# Altium PCB Copy of master.PcbDoc (part 6 of 7) (continued)
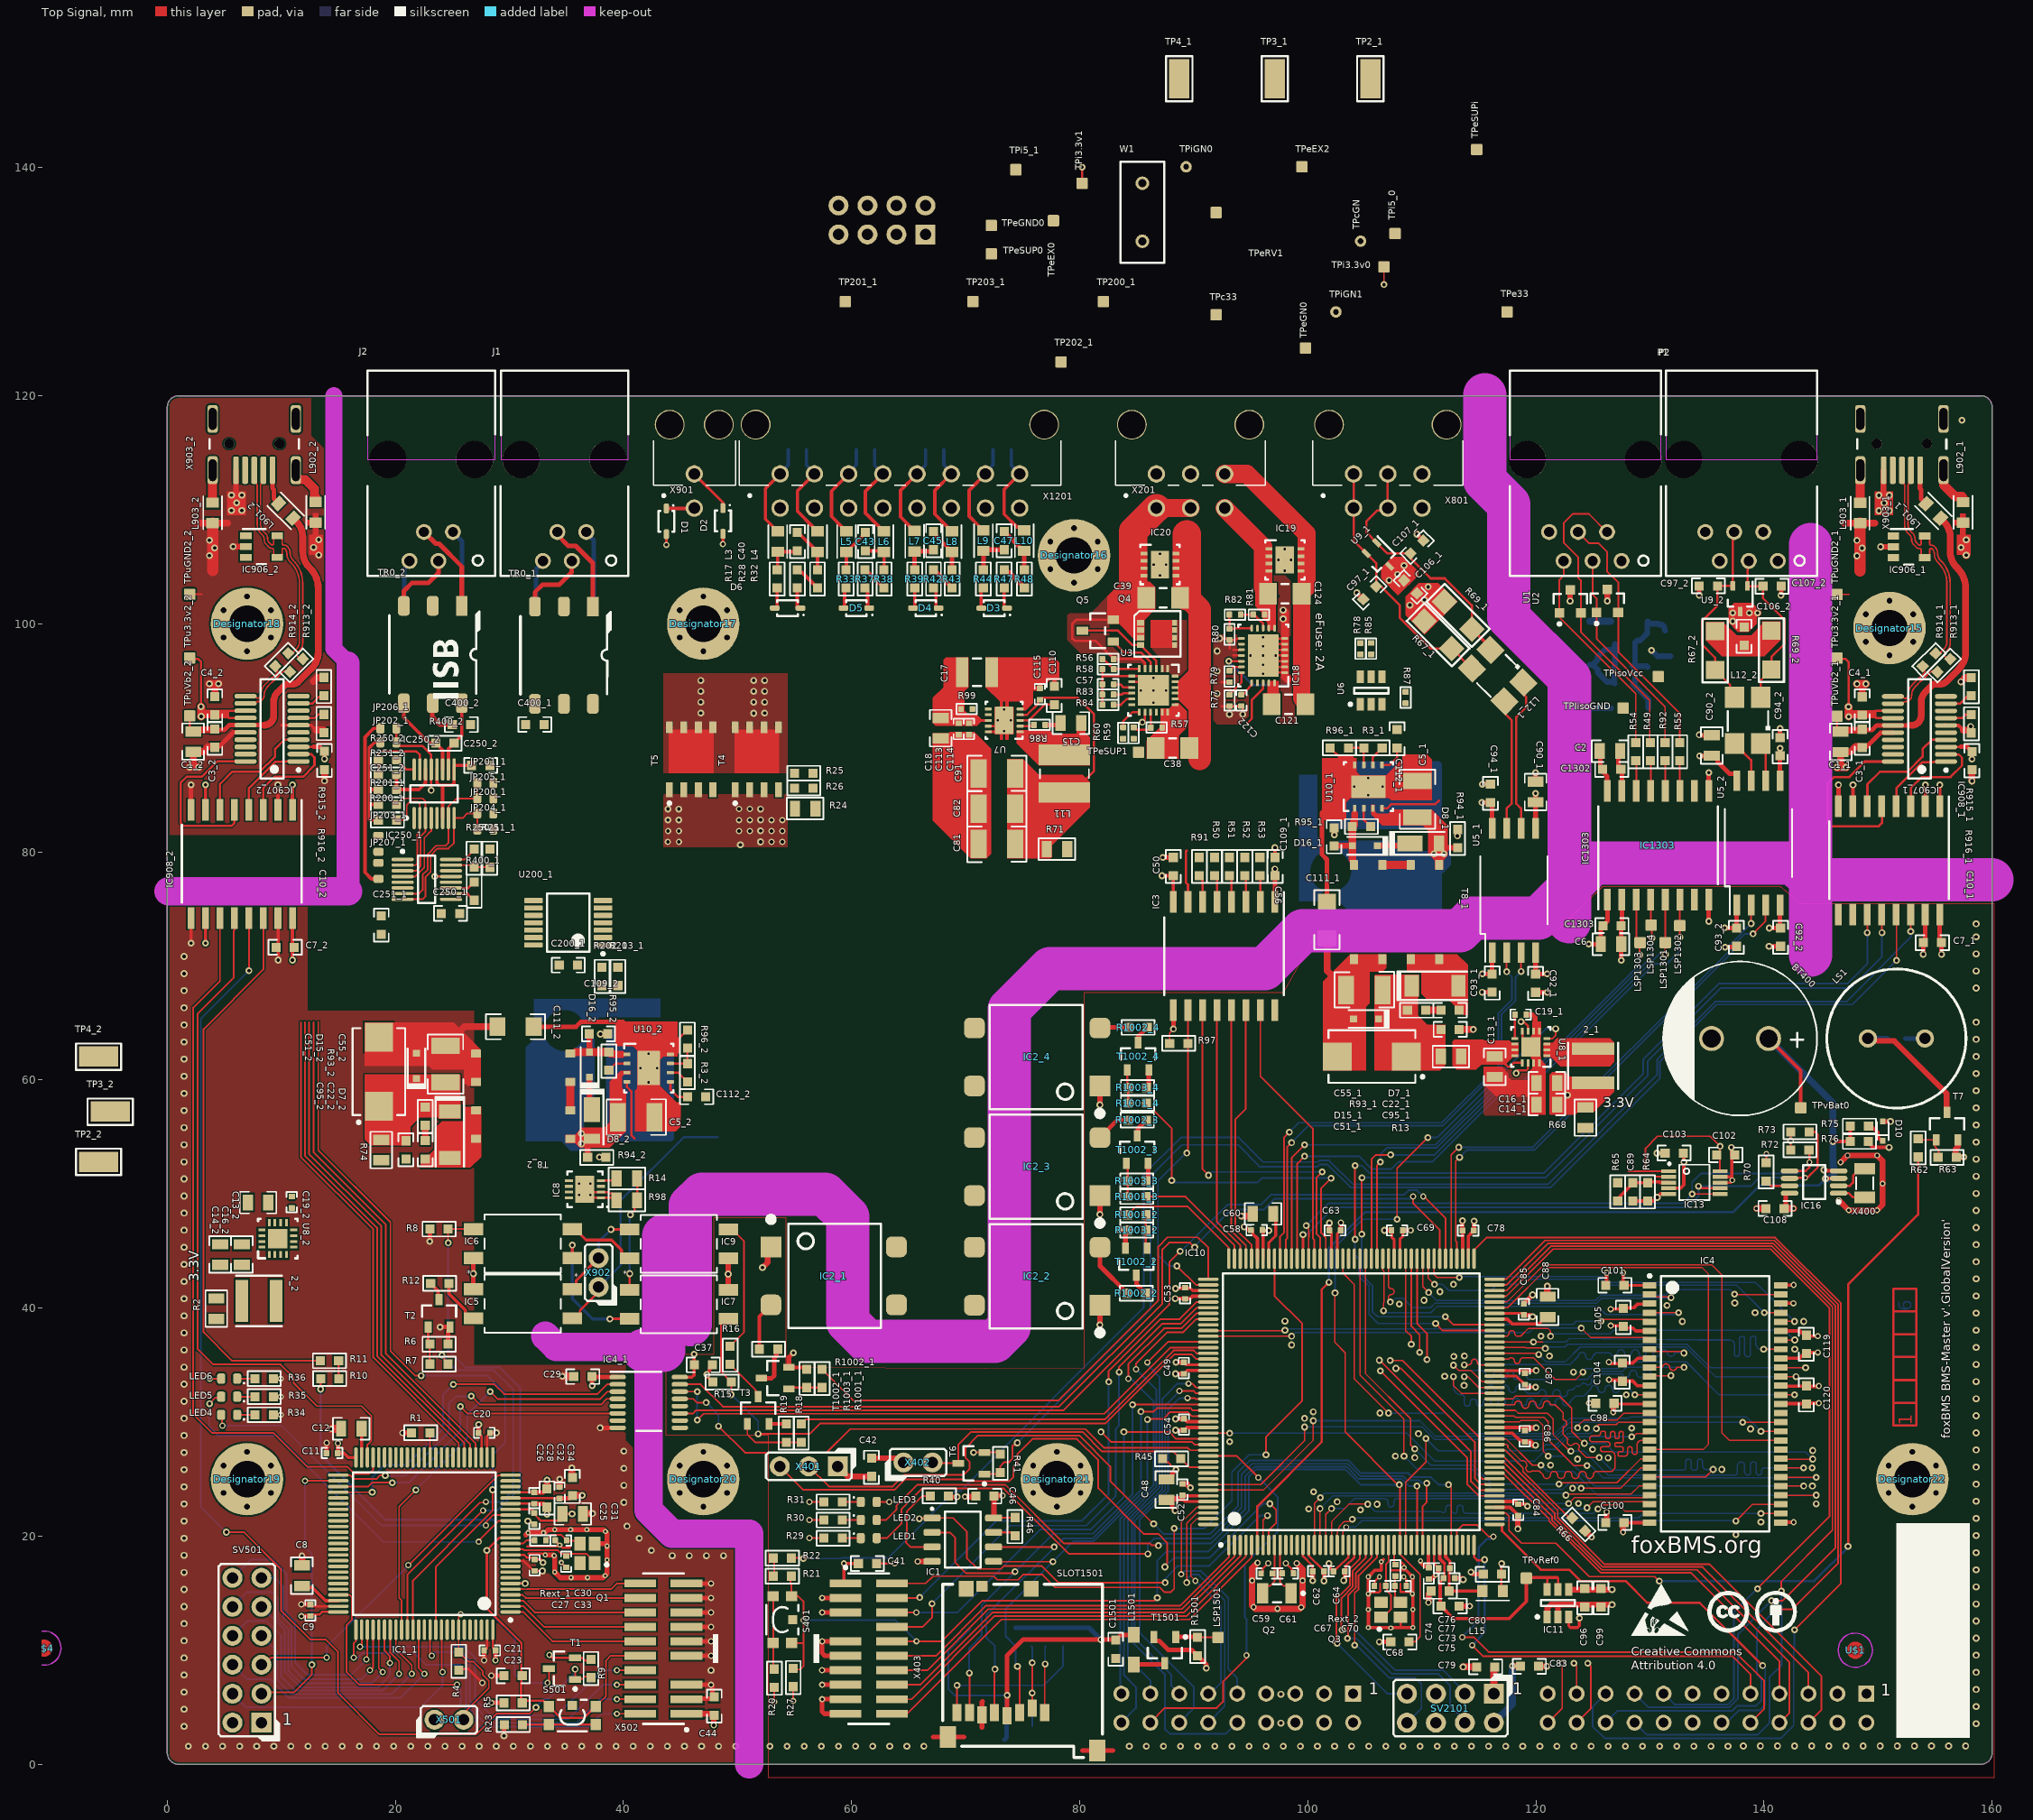
[diagram p0: Top Signal view]
## Nets (pads, with @x,y where several pads share a name; then routed paths per layer and width w, separated by ;. In a path a pad name is that pad's centre, name@x,y a point inside that pad or via, vN(x,y) a via of type N, cw(c..) or ccw(c..) an arc to the next point about the centre after c; other vN are vias at no path point) (continued)
Memorycard_SUPPLY_CONTROL: LSP1501.1 R1501.1 T1501.1 | length 3.7
  Top Signal w0.152: R1501.1@90.328,11.128 LSP1501.1@92.127,11.128
  Top Signal w0.4: T1501.1@88.418,11.162 90.293,11.162 R1501.1@90.328,11.128
Net2_1_1: 2_1.1 U8_1.1 U8_1.2 U8_1.3
Net2_2_1: 2_2.1 U8_2.1 U8_2.2 U8_2.3
NetC5_1_2: C5_1.2 C36_1.1 D8_1.2 L2_1.2 R94_1.2 T8_1.1 U10_1.3 | length 1.9
  Top Signal w0.5: D8_1.2@111.502,80.748 111.502,80.565 111.702,80.365 R94_1.2@113.137,80.365
  other v1: 111.054,79.821 111.934,79.821
NetC5_2_2: C5_2.2 C36_2.1 D8_2.2 L2_2.2 R94_2.2 T8_2.1 U10_2.3 | length 1.9
  Top Signal w0.5: R94_2.2@36.858,53.213 36.858,54.647 37.058,54.847 D8_2.2@37.24,54.847
  other v1: 36.314,54.415 36.314,55.295
NetC8_1: C8.1 IC1_1.73 | length 3.4
  Top Signal w0.305: C8.1@12.065,15.508 12.719,15.508 13.873,14.354 IC1_1.73@14.993,14.354
NetC12_1: C12.1 IC1_1.49 | length 2.3
  Top Signal w0.152: C12.1@16.925,29.18 C12.1@17.042,29.063
  Top Signal w0.3: IC1_1.49@17.042,26.904 C12.1@17.042,29.063
NetC15_1: C15.1 L11.1 U7.1 | length 1.7
  Top Signal w0.8: 80.061,89.586 80.112,89.637 80.112,89.834 80.125,89.847 C15.1@80.125,91.297
NetC15_2: C15.2 R86.2 | length 1.4
  Top Signal w0.4: R86.2@76.979,91.135 78.162,91.135 C15.2@78.325,91.297
NetC19_1_2: C19_1.2 U8_1.9 | length 2.1
  Top Signal w0.2: U8_1.9@118.157,63.645 118.157,65.727 C19_1.2@118.163,65.733
NetC19_2_2: C19_2.2 U8_2.9
NetC22_1_1: C22_1.1 R93_1.2 | length 1.3
  Top Signal w0.6: R93_1.2@110.337,66.12 C22_1.1@111.671,66.12
NetC22_1_2: C22_1.2 D7_1.2 T8_1.7 T8_1.8
NetC22_2_1: C22_2.1 R93_2.2 | length 1.3
  Top Signal w0.6: C22_2.1@22.612,54.678 R93_2.2@22.612,56.012
NetC22_2_2: C22_2.2 D7_2.2 T8_2.7 T8_2.8
NetC30_1: C30.1 Q1.3 Rext_1.2 | length 3.4
  Top Signal w0.152: Rext_1.2@33.201,19.628 33.201,19.653 33.351,19.803 33.376,19.803 33.693,20.12 34.523,20.12 C30.1@35.015,19.628 35.027,19.616 Q1.3@36.16,19.616
NetC35_1_2: C35_1.2 L1_1.2 L2_1.1
NetC35_2_2: C35_2.2 L1_2.2 L2_2.1
NetC40_1: C40.1 L3.2 R17.1 | length 3.4
  Top Signal w0.3: R17.1@53.471,104.737 53.518,104.784 L3.2@53.518,106.313 55.156,106.313 C40.1@55.245,106.402
NetC40_2: C40.2 L4.2 R32.2 | length 4.1
  Top Signal w0.3: C40.2@55.245,108.002 55.495,107.752 55.557,107.752 56.607,106.702 56.607,106.602 56.907,106.302 L4.2@57.007,106.302 R32.2@57.007,104.737
NetC43_1: C43.1 L5.2 R33.1 | length 4
  Top Signal w0.3: R33.1@59.514,104.737 59.554,104.777 L5.2@59.554,106.302 59.654,106.302 59.954,106.602 59.954,106.702 60.964,107.712 60.964,107.752 C43.1@61.214,108.002
NetC43_2: C43.2 L6.2 R38.2 | length 3.2
  Top Signal w0.3: C43.2@61.214,106.402 62.738,106.402 L6.2@62.838,106.302 R38.2@62.838,104.737
NetC45_1: C45.1 L7.2 R39.1 | length 3.3
  Top Signal w0.4: R39.1@65.532,104.75 L7.2@65.532,106.339 67.025,106.339 C45.1@67.177,106.491
NetC45_2: C45.2 L8.2 R43.1 | length 4.1
  Top Signal w0.3: C45.2@67.177,108.091 67.427,107.841 67.427,107.685 68.409,106.702 68.409,106.602 68.709,106.302 L8.2@68.809,106.302
  Top Signal w0.4: L8.2@68.709,106.302 68.809,106.202 R43.1@68.809,104.75
NetC47_1: C47.1 L9.2 R44.1 | length 3.5
  Top Signal w0.4: R44.1@71.552,104.875 L9.2@71.552,106.39 71.653,106.491 C47.1@73.248,106.491 ; C47.1@73.248,106.566 C47.1@73.248,106.491 ; C47.1@73.373,106.491 C47.1@73.248,106.491
NetC47_2: C47.2 L10.2 R48.2 | length 4.1
  Top Signal w0.4: C47.2@73.373,108.091 74.795,106.669 74.795,106.641 L10.2@75.045,106.391 ; R48.2@75.145,104.781 75.145,106.291 L10.2@75.045,106.391 ; L10.2@75.145,106.391 L10.2@75.045,106.391
NetC57_1: C57.1 U3.9 | length 1.7
  Top Signal w0.2: C57.1@82.987,94.7 83.015,94.672 83.588,94.672 83.844,94.416 U3.9@84.567,94.416
NetC60_1: C60.1 IC10.125 | length 4.8
  Top Signal w0.25: IC10.125@96.572,44.334 96.572,45.741 97.179,46.347 97.179,48.26 C60.1@97.179,48.853
NetC70_1: C70.1 Q3.3 Rext_2.2 | length 2.6
  Top Signal w0.152: Rext_2.2@107.681,16.48 107.638,16.437 C70.1@107.638,15.634 107.638,14.593 108.038,14.193 Q3.3@108.124,14.193
NetC88_1: C88.1 IC10.81 | length 4.7
  Top Signal w0.3: IC10.81@116.573,39.034 117.498,39.034 117.92,38.611 120.259,38.611 C88.1@120.847,39.198
NetC106_1_1: C106_1.1 R67_1.1 R69_1.2
  other v1: 108.952,101.636 110.216,102.102 110.549,103.234
NetC106_2_1: C106_2.1 R67_2.1 R69_2.2
NetC109_1_1: C109_1.1 R94_1.1 | length 12
  Top Signal w0.5: C109_1.1@102.304,82.117 102.321,82.1 v1(102.321,81.488) ; v1(113.115,81.398) 113.115,81.944 R94_1.1@113.137,81.965
  Inner Signal w0.8: v1(102.321,81.488) 113.026,81.488 v1(113.115,81.398)
NetC109_1_2: C109_1.2 D16_1.2 R95_1.2 T8_1.4 TP2_1.1 U10_1.1 | length 7.7
  Top Signal w0.3: R95_1.2@103.899,82.222 104.049,82.372 104.106,82.429 104.106,82.665 U10_1.1@104.106,83.822
  Top Signal w0.5: C109_1.2@102.304,80.517 102.321,80.535 D16_1.2@103.906,80.535 ; R95_1.2@103.899,82.222 R95_1.2@103.906,82.215 ; 103.906,79.329 103.932,79.303 103.932,78.957 T8_1.4@104.037,78.852 ; R95_1.2@104.049,82.608 104.106,82.665
  Top Signal w0.6: 104.106,82.665 104.106,83.363
  Top Signal w0.7: 103.906,79.329 D16_1.2@103.906,80.535 R95_1.2@103.906,82.215 ; R95_1.2@104.049,82.372 R95_1.2@104.049,82.608
NetC109_2_1: C109_2.1 R94_2.1 | length 12
  Top Signal w0.5: v1(37.891,53.234) 38.436,53.234 R94_2.1@38.458,53.213 ; v1(37.98,64.028) 38.592,64.028 C109_2.1@38.61,64.046
  Inner Signal w0.8: v1(37.891,53.234) 37.98,53.324 v1(37.98,64.028)
NetC109_2_2: C109_2.2 D16_2.2 R95_2.2 T8_2.4 TP2_2.1 U10_2.1 | length 7.7
  Top Signal w0.3: R95_2.2@38.714,62.451 38.864,62.301 38.922,62.244 39.157,62.244 U10_2.1@40.314,62.244
  Top Signal w0.5: T8_2.4@35.344,62.312 35.449,62.417 35.795,62.417 35.822,62.444 ; C109_2.2@37.01,64.046 37.027,64.028 D16_2.2@37.027,62.444 ; R95_2.2@38.707,62.444 R95_2.2@38.714,62.451 ; R95_2.2@39.1,62.301 39.157,62.244
  Top Signal w0.6: 39.157,62.244 39.855,62.244
  Top Signal w0.7: 35.822,62.444 D16_2.2@37.027,62.444 R95_2.2@38.707,62.444 ; R95_2.2@38.864,62.301 R95_2.2@39.1,62.301
NetC110_2: C110.2 U7.3 | length 3.6
  Top Signal w0.2: U7.3@74.773,91.526 75.529,91.526 76.914,92.911 C110.2@77.768,92.911
NetC112_1_1: C112_1.1 TP3_1.1 U10_1.5 | length 2.4
  Top Signal w0.2: U10_1.5@106.506,87.622 107.187,87.622 107.827,88.262 C112_1.1@107.827,89.119
NetC112_2_1: C112_2.1 TP3_2.1 U10_2.5 | length 2.4
  Top Signal w0.2: U10_2.5@44.114,59.844 44.114,59.162 44.754,58.522 C112_2.1@45.612,58.522
NetC122_1: C122.1 IC18.20 | length 1.4
  Top Signal w0.2: C122.1@94.299,93.781 94.578,94.06 94.578,94.133 95.082,94.637 IC18.20@95.082,94.817
NetC400_1_2: C400_1.2 TR0_1.5
NetC400_2_2: C400_2.2 TR0_2.5 | length 3.2
  Top Signal w0.4: TR0_2.5@23.279,93.032 23.245,92.997 23.245,91.932 23.237,91.925 23.237,91.829 23.904,91.162 C400_2.2@24.985,91.162
NetC400_3_2: C400_3.2 TR0_3.5
NetC400_4_2: C400_4.2 TR0_4.5
NetC1201_1: C1201.1 L4.1 X1201.2 | length 8.9
  Top Signal w0.3: X1201.2@56.737,113.142 55.245,111.65 55.245,109.864 56.607,108.502 56.607,108.402 56.907,108.102 L4.1@57.007,108.102
  Bottom Signal w0.3: C1201.1@56.045,115.265 56.045,113.915 56.737,113.223 X1201.2@56.737,113.142
NetC1201_2: C1201.2 L3.1 X1201.1 | length 8.5
  Top Signal w0.3: L3.1@53.518,108.113 53.418,108.113 53.118,108.413 53.118,108.513 52.445,109.186 52.445,111.85 X1201.1@53.737,113.142
  Bottom Signal w0.3: X1201.1@53.737,113.142 53.737,113.192 54.445,113.9 C1201.2@54.445,115.265
NetC1203_1: C1203.1 L10.1 X1201.8 | length 8.9
  Top Signal w0.3: X1201.8@74.737,113.142 73.373,111.778 73.373,109.62 74.503,108.491 74.845,108.491 L10.1@75.145,108.191
  Bottom Signal w0.3: C1203.1@74.009,115.265 74.009,113.879 74.737,113.151 X1201.8@74.737,113.142
NetC1203_2: C1203.2 L9.1 X1201.7 | length 8.5
  Top Signal w0.3: L9.1@71.552,108.19 71.452,108.19 71.152,108.49 71.152,108.59 70.3,109.441 70.3,111.705 X1201.7@71.737,113.142
  Bottom Signal w0.3: X1201.7@71.737,113.142 71.737,113.258 72.409,113.93 C1203.2@72.409,115.265
NetC1205_1: C1205.1 L6.1 X1201.4 | length 8.8
  Top Signal w0.3: X1201.4@62.737,113.142 61.214,111.619 61.214,109.726 62.438,108.502 62.438,108.402 62.738,108.102 L6.1@62.838,108.102
  Bottom Signal w0.3: C1205.1@62.014,115.265 62.014,113.884 62.737,113.161 X1201.4@62.737,113.142
NetC1205_2: C1205.2 L5.1 X1201.3 | length 8.7
  Top Signal w0.3: L5.1@59.554,108.102 59.454,108.102 59.154,108.402 59.154,108.502 58.233,109.423 58.233,111.638 X1201.3@59.737,113.142
  Bottom Signal w0.3: X1201.3@59.737,113.142 59.737,113.253 60.414,113.93 C1205.2@60.414,115.265
NetC1209_1: C1209.1 L8.1 X1201.6 | length 8.7
  Top Signal w0.3: X1201.6@68.737,113.142 67.292,111.696 67.292,109.62 68.409,108.502 68.409,108.402 68.709,108.102 L8.1@68.809,108.102
  Bottom Signal w0.3: C1209.1@68.092,115.265 68.092,113.93 68.737,113.284 X1201.6@68.737,113.142
NetC1209_2: C1209.2 L7.1 X1201.5 | length 8.6
  Top Signal w0.3: L7.1@65.532,108.139 65.432,108.139 65.132,108.439 65.132,108.539 64.287,109.383 64.287,111.692 X1201.5@65.737,113.142
  Bottom Signal w0.3: X1201.5@65.737,113.142 66.492,113.896 C1209.2@66.492,115.265
NetD1_1: D1.1 IC5.3 X901.2 X902.1 | length 25.5
  Top Signal w0.2: IC5.3@35.495,39.115 35.772,39.115 36.193,39.536 36.193,39.813 37.819,41.439 X902.1@37.819,41.84
  Top Signal w0.3: D1.1@43.754,110.109 46.169,110.109 X901.2@46.2,110.14
  Inner Signal w0.6: X901.2@46.198,110.143 X901.2@46.2,110.145
  Bottom Signal w0.2: X902.1@37.819,41.84 39.761,43.782 39.761,49.461 45.287,54.987 48.241,54.987
NetD8_1_1: D8_1.1 D16_1.1 | length 2.9
  Top Signal w0.5: D16_1.1@106.106,80.535 108.739,80.535 D8_1.1@108.952,80.748
NetD8_2_1: D8_2.1 D16_2.1 | length 2.9
  Top Signal w0.5: D16_2.1@37.027,60.244 37.027,57.61 D8_2.1@37.24,57.397
NetD10_2: D10.2 R75.1 | length 1.9
  Top Signal w0.3: R75.1@149.159,55.958 149.403,55.958 149.969,55.392 149.969,55.013 D10.2@150.321,54.662
NetD12_2: D12.2 L14.6 | length 1.9
  Bottom Signal w0.5: L14.6@124.724,92.602 D12.2@126.601,92.602
NetD14_2: D14.2 L14.4 | length 1.8
  Bottom Signal w0.6: L14.4@124.724,100.222 D14.2@126.557,100.222
NetIC1_1_37: IC1_1.37 R1.2 | length 1.8
  Top Signal w0.152: IC1_1.37@23.043,26.904 R1.2@23.043,28.72
NetIC1_3: IC1.3 R40.1 | length 7.8
  Top Signal w0.152: R40.1@66.891,23.532 66.217,23.532 64.829,22.144 64.829,19.652 64.76,19.583 64.76,19.457 65.159,19.059 IC1.3@67.055,19.059
NetIC1_7: IC1.7 R46.1 | length 1.6
  Top Signal w0.2: IC1.7@72.495,20.329 R46.1@74.135,20.329
NetIC2_1_2: IC2_1.2 R1002_1.2 | length 4.3
  Top Signal w0.3: R1002_1.2@51.916,36.393 51.916,39.268 IC2_1.2@52.929,40.281
NetIC2_2_2: IC2_2.2 R1002_2.2 | length 5
  Top Signal w0.4: IC2_2.2@81.77,45.333 81.77,43.691 R1002_2.2@84.16,41.3
NetIC2_3_2: IC2_3.2 R1002_3.2 | length 3.1
  Top Signal w0.4: IC2_3.2@81.77,54.947 83.308,56.484 R1002_3.2@84.249,56.484
NetIC2_4_2: IC2_4.2 R1002_4.2 | length 2.6
  Top Signal w0.4: IC2_4.2@81.77,64.561 81.827,64.618 R1002_4.2@84.315,64.618
NetIC5_2: IC5.2 R12.2 | length 4.1
  Top Signal w0.3: R12.2@24.687,42.163 24.687,41.261 26.132,39.816 26.132,39.486 26.503,39.115 IC5.2@26.833,39.115
NetIC5_4: IC5.4 IC9.3 X902.2 | length 8.3
  Top Signal w0.254: IC5.4@35.495,41.655 35.847,42.007 35.847,42.408 X902.2@37.819,44.38 ; v1(38.903,46.896) IC9.3@40.519,46.896
  Bottom Signal w0.254: X902.2@37.819,44.38 37.819,45.811 v1(38.903,46.896)
NetIC6_1: IC6.1 IC7.2 | length 11.6
  Top Signal w0.254: IC6.1@35.495,44.38 35.509,44.394 v1(35.509,45.523) ; v1(38.807,39.042) 38.828,39.062 IC7.2@40.519,39.062
  Bottom Signal w0.254: v1(35.509,45.523) 35.509,40.822 37.289,39.042 v1(38.807,39.042)
NetIC6_2: IC6.2 IC9.4 | length 6.3
  Top Signal w0.254: IC6.2@35.495,46.92 35.756,46.92 36.716,45.96 38.949,45.96 39.818,45.091 39.818,44.749 40.212,44.356 IC9.4@40.519,44.356
NetIC7_1: IC7.1 R14.1 R98.1 | length 10
  Top Signal w0.2: IC7.1@40.519,41.602 40.519,42.985 v1(40.552,43.017) ; v1(40.6,48.19) 40.972,48.562 40.972,49.225 R98.1@41.192,49.445 R14.1@41.192,51.366
  Bottom Signal w0.2: v1(40.552,43.017) 40.552,48.142 v1(40.6,48.19)
NetIC8_1: IC8.1 IC8.2 IC8.9 R98.2 | length 6.5
  Top Signal w0.2: IC8.9@36.611,50.398 37.336,49.673 IC8.1@38.011,49.673 39.164,49.673 R98.2@39.392,49.445 39.392,49.682 39.042,50.032 38.805,50.032 38.664,50.173 IC8.2@38.011,50.173 36.861,50.173 IC8.9@36.611,50.423 IC8.9@36.611,50.398
  other v4: 36.111,49.923 37.111,49.923 36.111,50.923 37.111,50.923
NetIC8_4: IC8.4 R14.2 | length 1.5
  Top Signal w0.2: IC8.4@38.011,51.173 39.199,51.173 R14.2@39.392,51.366
NetIC9_2: IC9.2 R16.2 | length 11.5
  Top Signal w0.152: IC9.2@49.181,46.896 49.625,46.451 49.975,46.451 50.557,45.869 50.557,37.87 R16.2@49.352,36.665
NetIC10_58: IC10.58 R66.2 | length 9.8
  Top Signal w0.15: IC10.58@116.372,27.534 117.324,27.534 118.86,25.998 118.86,25.688 123.252,21.297 R66.2@123.252,21.17
NetIC16_1: IC16.1 X400.2 | length 2.4
  Top Signal w0.2: IC16.1@146.54,50.074 147.437,50.074 147.803,49.707 X400.2@148.83,49.707
NetIC16_2: IC16.2 X400.1 | length 3.3
  Top Signal w0.2: IC16.2@146.54,50.724 147.523,50.724 147.805,51.006 147.805,51.606 148.406,52.207 X400.1@148.83,52.207
NetIC18_10: IC18.10 R81.1 R82.2 | length 2.7
  Top Signal w0.2: R82.2@94.114,100.8 94.465,100.8 R81.1@95.208,100.799 95.208,100.774 95.358,100.624 95.463,100.624 95.812,100.276 95.825,100.276 96.082,100.018 IC18.10@96.082,99.617
NetIC18_12: IC18.12 R80.2 R82.1 | length 3.2
  Top Signal w0.2: R82.1@93.114,100.799 93.114,100.423 93.131,100.405 R80.2@93.131,99.572 93.507,99.572 93.552,99.617 IC18.12@95.082,99.617
NetIC18_18: IC18.18 R79.2 | length 1.2
  Top Signal w0.2: R79.2@93.131,95.887 93.156,95.887 93.306,96.037 93.486,96.217 IC18.18@94.182,96.217
NetIC18_19: IC18.19 R77.2 | length 2.5
  Top Signal w0.2: R77.2@93.131,93.781 R77.2@93.131,93.812 ; R77.2@93.131,93.916 R77.2@93.131,93.812 ; IC18.19@94.182,95.717 94.182,94.864 R77.2@93.131,93.812
NetIC250_1_15: IC250_1.15 R250_1.1 R251_1.2 | length 3.5
  Top Signal w0.152: IC250_1.15@24.874,78.841 26.584,78.841 R250_1.1@26.884,78.541 ; R250_1.1@26.899,78.651 28.277,78.651 R251_1.2@28.282,78.647
NetIC250_1_16: IC250_1.16 R250_1.2 | length 2.3
  Top Signal w0.152: IC250_1.16@24.874,79.341 26.084,79.341 R250_1.2@26.884,80.141
NetIC250_2_15: IC250_2.15 R250_2.1 R251_2.2 | length 7
  Top Signal w0.2: R251_2.2@18.504,86.768 R250_2.1@18.504,88.077 18.504,88.586 18.742,88.824 21.817,88.824 22.143,88.497 IC250_2.15@22.143,87.219
NetIC250_2_16: IC250_2.16 R250_2.2 | length 1.9
  Top Signal w0.2: R250_2.2@20.104,88.077 20.51,87.67 20.516,87.67 20.967,87.219 IC250_2.16@21.643,87.219
NetIC250_3_15: IC250_3.15 R250_3.1 R251_3.2
NetIC250_3_16: IC250_3.16 R250_3.2
NetIC250_4_15: IC250_4.15 R250_4.1 R251_4.2
NetIC250_4_16: IC250_4.16 R250_4.2
NetIC907_1_7: IC907_1.7 R916_1.1 | length 2.5
  Top Signal w0.2: IC907_1.7@155.954,91.728 157.374,91.728 157.679,92.033 R916_1.1@158.326,92.033
NetIC907_1_9: IC907_1.9 R915_1.1 | length 2.6
  Top Signal w0.2: IC907_1.9@155.954,92.998 157.178,92.998 157.762,93.583 R915_1.1@158.326,93.583
NetIC907_2_7: IC907_2.7 R916_2.1 | length 2.5
  Top Signal w0.2: IC907_2.7@11.508,91.745 12.929,91.745 13.233,92.05 R916_2.1@13.88,92.05
NetIC907_2_9: IC907_2.9 R915_2.1 | length 2.6
  Top Signal w0.2: IC907_2.9@11.508,93.015 12.732,93.015 13.316,93.599 R915_2.1@13.88,93.599
NetIC1303_11: IC1303.11 R55.2 | length 2.7
  Top Signal w0.15: IC1303.11@132.611,85.333 R55.2@132.611,87.984
NetIC1303_12: IC1303.12 R92.2 | length 2.7
  Top Signal w0.15: IC1303.12@131.341,85.333 R92.2@131.341,87.967
  Top Signal w0.3: R92.2@131.324,87.984 R92.2@131.341,87.967
NetIC1303_13: IC1303.13 R49.2 | length 2.7
  Top Signal w0.15: IC1303.13@130.071,85.333 R49.2@130.071,87.95
  Top Signal w0.3: R49.2@130.038,87.984 R49.2@130.071,87.95
NetIC1303_14: IC1303.14 R54.2 | length 2.7
  Top Signal w0.15: IC1303.14@128.801,85.333 R54.2@128.801,87.933
  Top Signal w0.3: R54.2@128.751,87.984 R54.2@128.801,87.933
NetL12_1_1: L12_1.1 U5_1.6 | length 13.4
  Top Signal w0.2: U5_1.6@118.699,82.065 118.699,83.804 118.281,84.222 118.281,91.814 119.151,92.685 119.151,93.571 118.882,93.841 L12_1.1@118.882,94.844
NetL12_1_4: L12_1.4 U5_1.7 | length 11.6
  Top Signal w0.2: L12_1.4@117.255,93.217 117.255,92.157 117.856,91.556 117.856,84.222 117.429,83.795 U5_1.7@117.429,82.065
NetL12_2_1: L12_2.1 U5_2.6 | length 3.4
  Top Signal w0.2: L12_2.1@139.717,89.503 140.137,89.083 U5_2.6@140.137,86.233
NetL12_2_4: L12_2.4 U5_2.7 | length 3.9
  Top Signal w0.2: L12_2.4@137.417,89.503 137.417,89.428 138.167,88.678 138.242,88.678 138.867,88.053 U5_2.7@138.867,86.233
NetL14_1: L14.1 U4.3
NetL14_3: L14.3 U4.1
NetL902_1_2: L902_1.2 X903_1.6 X903_1.7 | length 3.5
  Top Signal w0.8: X903_1.6@155.738,113.464 155.738,112.19 156.765,111.162 157.351,111.162 L902_1.2@157.451,111.062
NetL902_2_2: L902_2.2 X903_2.6 X903_2.7 | length 3.6
  Top Signal w0.8: X903_2.6@11.275,113.464 11.275,112.694 11.325,112.644 12.095,112.644 12.905,111.834 12.905,111.179 L902_2.2@13.005,111.079
NetL903_1_2: L903_1.2 X903_1.8 X903_1.9 | length 2.4
  Top Signal w0.8: L903_1.2@148.421,111.012 X903_1.8@148.421,113.448
NetL903_2_2: L903_2.2 X903_2.8 X903_2.9 | length 2.4
  Top Signal w0.8: L903_2.2@3.975,111.028 X903_2.8@3.975,113.464
NetL1501_2: L1501.2 T1501.3 | length 2.8
  Top Signal w0.4: L1501.2@84.74,8.745 87.368,8.745 87.468,8.845 T1501.3@87.468,8.862
NetLED1_1: LED1.1 R29.2 | length 1.5
  Top Signal w0.152: R29.2@59.222,19.829 LED1.1@60.75,19.829
NetLED2_1: LED2.1 R30.2 | length 1.5
  Top Signal w0.152: R30.2@59.222,21.417 LED2.1@60.75,21.417
NetLED3_1: LED3.1 R31.2 | length 1.5
  Top Signal w0.152: R31.2@59.222,23.004 LED3.1@60.75,23.004
NetLED4_1: LED4.1 R34.2 | length 1.5
  Top Signal w0.152: LED4.1@6.176,30.643 R34.2@7.64,30.643
NetLED5_1: LED5.1 R35.2 | length 1.5
  Top Signal w0.152: LED5.1@6.176,32.23 R35.2@7.64,32.23
NetLED6_1: LED6.1 R36.1 | length 1.5
  Top Signal w0.152: LED6.1@6.176,33.818 R36.1@7.64,33.818
NetLS1_2: LS1.2 R61.1 T7.D | length 12.3
  Top Signal w0.5: LS1.2@149.105,63.637 149.315,63.426 151.407,63.426 156.005,58.828 156.005,57.405 156.055,57.355 T7.D@156.055,57.155
  Bottom Signal w0.5: LS1.2@149.105,63.637 R61.1@150.805,63.637
NetQ4_4: Q4.4 Q5.3 U3.3 | length 8.3
  Top Signal w0.2: Q5.3@80.237,99.404 83.373,99.404 84.638,98.139 Q4.4@85.347,98.139 85.412,98.139 85.562,97.989 85.562,97.894 86.717,96.739 U3.3@86.717,96.066
NetQ4_5: Q4.5 Q4.6 Q4.7 Q4.8 TPeRV1.1 U3.1 U3.2 U3.24
NetQ5_1: Q5.1 U3.4 | length 4.7
  Top Signal w0.2: Q5.1@82.937,98.454 83.075,98.454 83.337,98.191 83.337,98.054 83.925,97.467 85.398,97.467 86.217,96.647 U3.4@86.217,96.066
NetR3_1_1: R3_1.1 R96_1.2 U10_1.7 | length 2.9
  Top Signal w0.2: R96_1.2@103.564,89.119 R3_1.1@104.915,89.119 104.906,89.11 U10_1.7@104.906,87.622
NetR3_1_2: R3_1.2 U10_1.6 | length 1.8
  Top Signal w0.2: U10_1.6@105.706,87.622 105.706,88.31 R3_1.2@106.515,89.119
NetR3_2_1: R3_2.1 R96_2.2 U10_2.7 | length 2.9
  Top Signal w0.2: U10_2.7@44.114,61.444 45.603,61.444 R3_2.1@45.612,61.435 R96_2.2@45.612,62.785
NetR3_2_2: R3_2.2 U10_2.6 | length 1.8
  Top Signal w0.2: U10_2.6@44.114,60.644 44.803,60.644 R3_2.2@45.612,59.835
NetR6_1: R6.1 R7.1 T2.G | length 3.3
  Top Signal w0.203: T2.G@22.875,38.337 22.875,36.988 R6.1@23.025,36.838 R7.1@23.025,35.092
NetR10_2: R10.2 R11.1 | length 1.6
  Top Signal w0.203: R11.1@15.017,35.382 15.017,33.844 R10.2@15.043,33.818
NetR12_1: R12.1 T2.D | length 1.7
  Top Signal w0.3: R12.1@23.087,42.163 23.745,41.505 23.745,40.816 T2.D@23.825,40.737
NetR16_1: R16.1 T3.D | length 3.8
  Top Signal w0.152: R16.1@49.352,35.065 51.583,32.834 51.583,32.467 T3.D@51.807,32.243
NetR18_1: R18.1 R19.1 T3.G | length 5.9
  Top Signal w0.152: T3.G@50.857,29.843 50.857,28.916 51.533,28.24 R19.1@54.27,28.24 R18.1@55.591,28.24
NetR20_2: R20.2 S401.1 S401.2 | length 6.4
  Top Signal w0.152: S401.1@53.127,14.736 S401.2@53.127,10.635 53.127,8.445 R20.2@53.229,8.344
NetR21_2: R21.2 R22.1 | length 1.6
  Top Signal w0.152: R21.2@53.228,16.496 53.228,17.047 R22.1@53.227,18.083
NetR23_2: R23.2 S501.1 S501.2 | length 6.4
  Top Signal w0.203: R23.2@31.143,3.473 S501.1@33.459,3.473 S501.2@37.559,3.473
NetR25_2: R25.2 T5.4
NetR26_2: R26.2 T4.4
NetR56_1: R56.1 R58.2 U3.6 | length 3.7
  Top Signal w0.2: R56.1@81.987,96.909 81.987,96.884 82.137,96.734 82.265,96.734 82.812,96.187 82.837,96.187 82.987,96.037 R58.2@82.987,96.012 83.041,96.066 U3.6@85.217,96.066
NetR57_1: R57.1 R59.2 U3.15 | length 3
  Top Signal w0.2: R59.2@84.732,90.918 84.757,90.918 84.959,90.716 86.049,90.716 86.059,90.726 86.084,90.726 86.234,90.876 R57.1@86.234,90.901 86.217,90.918 U3.15@86.217,92.266
NetR60_2: R60.2 U3.13 | length 2.3
  Top Signal w0.2: R60.2@83.809,90.918 83.809,91.43 84.645,92.266 U3.13@85.217,92.266
NetR62_1: R62.1 R63.2 T7.G | length 3.3
  Top Signal w0.15: R62.1@153.51,54.75 T7.G@155.101,54.75 ; T7.G@155.105,54.755 T7.G@155.101,54.75 ; R63.2@155.355,53.211 155.32,53.247 155.32,53.799 155.001,54.118 155.001,54.65 T7.G@155.101,54.75
NetR83_2: R83.2 U3.10 | length 1.6
  Top Signal w0.2: R83.2@82.983,93.796 83.71,93.796 83.83,93.916 U3.10@84.567,93.916
NetR84_2: R84.2 U3.11 | length 1.8
  Top Signal w0.2: R84.2@82.987,92.889 83.607,92.889 84.129,93.411 84.562,93.411 U3.11@84.567,93.416
NetR86_1: R86.1 U7.2 | length 1.2
  Top Signal w0.2: U7.2@74.773,91.026 75.93,91.026 R86.1@75.972,91.069
NetR95_1_1: R95_1.1 U10_1.2 | length 1.8
  Top Signal w0.2: U10_1.2@104.906,83.822 104.906,82.815 R95_1.1@105.499,82.222
NetR95_2_1: R95_2.1 U10_2.2 | length 1.8
  Top Signal w0.2: R95_2.1@38.714,60.851 39.307,61.444 U10_2.2@40.314,61.444
NetR1001_1_1: R1001_1.1 R1003_1.2 T1002_1.G | length 3
  Top Signal w0.2: T1002_1.G@54.5,32.903 54.629,33.031 R1003_1.2@56.069,33.031 R1001_1.1@57.415,33.031
NetR1001_2_1: R1001_2.1 R1003_2.2 T1002_2.G | length 3.1
  Top Signal w0.2: R1001_2.1@85.804,48.184 R1003_2.2@85.804,46.838 85.804,45.375 T1002_2.G@85.91,45.269 T1002_2.G@86.01,45.369
NetR1001_3_1: R1001_3.1 R1003_3.2 T1002_3.G | length 3.1
  Top Signal w0.2: T1002_3.G@84.099,52.694 84.205,52.588 R1003_3.2@84.205,51.15 ; R1001_3.1@84.205,49.779 R1003_3.2@84.205,51.15 ; R1003_3.2@84.305,51.25 R1003_3.2@84.205,51.15
NetR1001_4_1: R1001_4.1 R1003_4.2 T1002_4.G | length 3
  Top Signal w0.2: T1002_4.G@84.158,60.878 84.158,59.44 R1003_4.2@84.264,59.334 R1001_4.1@84.264,57.963
NetR1002_1_1: R1002_1.1 T1002_1.D | length 3.6
  Top Signal w0.4: T1002_1.D@52.1,33.853 52.99,33.853 53.224,34.087 53.224,35.649 53.416,35.841 R1002_1.1@53.416,36.393
NetR1002_2_1: R1002_2.1 T1002_2.D | length 1.9
  Top Signal w0.4: T1002_2.D@84.96,42.869 84.995,42.835 84.995,42.066 R1002_2.1@85.76,41.3
NetR1002_3_1: R1002_3.1 T1002_3.D | length 1.7
  Top Signal w0.4: T1002_3.D@85.049,55.094 85.083,55.128 85.083,55.719 R1002_3.1@85.849,56.484
NetR1002_4_1: R1002_4.1 T1002_4.D | length 1.7
  Top Signal w0.4: T1002_4.D@85.108,63.278 85.15,63.319 85.15,63.852 R1002_4.1@85.915,64.618
NetR1502_1: R1502.1 SLOT1501.1 | length 5.9
  Top Signal w0.152: SLOT1501.1@76.931,4.531 76.931,8.754 v1(76.969,8.792)
  Bottom Signal w0.152: v1(76.969,8.792) 76.969,10.306 R1502.1@77.028,10.364
NetR1503_1: R1503.1 SLOT1501.8 | length 14.1
  Top Signal w0.152: SLOT1501.8@69.231,4.531 69.231,6.913 v1(69.241,6.923)
  Bottom Signal w0.152: v1(69.241,6.923) 76.852,6.923 78.522,8.593 R1503.1@78.522,10.364
NetT8_1_2: T8_1.2 T8_1.3 | length 2.5
  Top Signal w0.7: T8_1.3@106.527,78.852 T8_1.2@109.017,78.852
NetT8_2_2: T8_2.2 T8_2.3 | length 2.5
  Top Signal w0.7: T8_2.2@35.344,57.332 T8_2.3@35.344,59.822
OUT_1_N: IC250_1.10 R400_1.1 TR0_1.6 | length 2.3
  Top Signal w0.2: IC250_1.10@24.874,76.341 26.321,76.341 R400_1.1@26.906,75.756
OUT_1_P: IC250_1.11 R400_1.2 TR0_1.4 | length 2.2
  Top Signal w0.2: IC250_1.11@24.874,76.841 26.391,76.841 R400_1.2@26.906,77.356
OUT_2_N: IC250_2.10 R400_2.1 TR0_2.6 | length 6.3
  Top Signal w0.3: IC250_2.10@24.643,87.219 24.643,89.031 R400_2.1@25.144,89.532 25.819,90.207 TR0_2.6@25.819,93.032
OUT_2_P: IC250_2.11 R400_2.2 TR0_2.4 | length 7.6
  Top Signal w0.3: TR0_2.4@20.739,93.032 20.739,91.775 21.829,90.685 21.829,90.663 21.976,90.517 21.997,90.517 22.982,89.532 R400_2.2@23.544,89.532 24.143,88.933 IC250_2.11@24.143,87.219
OUT_3_N: IC250_3.10 R400_3.1 TR0_3.6
OUT_3_P: IC250_3.11 R400_3.2 TR0_3.4
OUT_4_N: IC250_4.10 R400_4.1 TR0_4.6
OUT_4_P: IC250_4.11 R400_4.2 TR0_4.4
PHA_1: IC250_1.8 IC250_2.8 JP200_1.1 JP204_1.2 | length 14.2
  Top Signal w0.152: IC250_1.8@20.624,75.841 22.377,75.841 22.643,76.107 22.643,76.23 22.649,76.236 22.649,77.804 23.089,78.244 23.089,79.68 23.698,80.289 24.636,80.289 25.143,80.796 IC250_2.8@25.143,82.969 25.889,82.969 26.294,83.374 JP200_1.1@27.183,83.374 JP204_1.2@27.183,81.962
PHA_2: IC250_3.8 IC250_4.8 JP200_2.1 JP204_2.2
PIEZO_MCU_0_PWM: IC10.47 R62.2 | length 72.3
  Top Signal w0.15: IC10.47@116.372,22.034 117.374,22.034 117.638,21.769 117.638,20.498 118.756,19.38 121.741,19.38 124.662,16.459 130.429,16.459 v1(130.824,16.064) v1@130.886,16.002
  Top Signal w0.2: v1(147.365,19.101) 147.365,42.057 153.51,48.202 R62.2@153.51,53.25
  Bottom Signal w0.2: v1(130.824,16.064) 144.41,16.064 v1@147.447,19.101
POL_1: IC250_1.7 IC250_2.7 JP201_1.1 JP205_1.2 | length 14.8
  Top Signal w0.152: IC250_1.7@20.624,76.341 22.078,76.341 22.397,76.66 22.397,77.991 22.837,78.431 22.837,79.803 23.575,80.541 24.389,80.541 24.643,80.795 IC250_2.7@24.643,82.969 24.643,83.969 25.366,84.692 JP205_1.2@27.183,84.692 JP201_1.1@27.183,86.042
POL_2: IC250_3.7 IC250_4.7 JP201_2.1 JP205_2.2
PRI_OUT_N: J1.3 TR0_1.1 | length 8.2
  Top Signal w0.4: J1.3@34.198,108.052 34.198,107.794 35.157,106.835 35.81,106.835 37.312,105.333 TR0_1.1@37.312,101.52
PRI_OUT_P: J1.2 TR0_1.3 | length 6.2
  Top Signal w0.4: TR0_1.3@32.232,101.52 32.232,102.768 32.893,103.429 34.372,103.429 35.442,104.499 35.442,105.486 J1.2@35.468,105.512
PRI_REV_N: J2.3 TR0_2.1 | length 8
  Top Signal w0.4: J2.3@22.504,108.052 23.536,107.02 23.819,107.02 25.819,105.019 TR0_2.1@25.819,101.572
PRI_REV_P: J2.2 TR0_2.3 | length 6
  Top Signal w0.4: TR0_2.3@20.739,101.572 20.739,102.869 21.44,103.569 22.87,103.569 23.774,104.473 J2.2@23.774,105.512
RS485_A_EXT: P2.5 R54.1 U1.1 | length 18.9
  Top Signal w0.15: P2.5@122.428,105.512 122.428,104.219 122.06,103.851 U1.1@122.06,100.96 122.06,100.568 128.751,93.877 R54.1@128.751,89.584
RS485_B_EXT: P2.2 R49.1 U1.2 | length 27.2
  Top Signal w0.15: P2.2@126.238,108.052 124.656,109.634 123.226,109.634 122.428,108.836 122.428,107.131 123.698,105.861 123.698,104.057 123.94,103.815 U1.2@123.94,100.96 123.94,99.307 129.98,93.268 129.98,89.642 R49.1@130.038,89.584
RS485_DE: IC10.107 IC1303.5 LSP1301.1 | length 46.7
  Top Signal w0.15: LSP1301.1@131.341,72.049 IC1303.5@131.341,75.833
  Top Signal w0.152: IC10.107@105.573,44.334 105.573,53.031 105.979,53.438 v1(107.256,53.438) ; v1(131.341,71.018) LSP1301.1@131.341,72.049
  Bottom Signal w0.152: v1(107.256,53.438) 111.106,53.438 116.647,58.979 118.724,58.979 130.763,71.018 v1(131.341,71.018)
RS485_MCU_0_NRE: IC10.106 IC1303.4 LSP1304.1 | length 45.3
  Top Signal w0.15: IC10.106@106.072,44.334 106.072,46.118 106.071,46.12 106.071,52.524 v1(106.358,52.811) ; IC1303.4@130.071,75.833 130.071,73.598 LSP1304.1@130.097,73.573 130.165,73.504 v1(130.165,72.449)
  Bottom Signal w0.15: v1(106.358,52.811) 106.358,53.393 106.322,53.429 106.957,54.064 111.319,54.064 116.526,59.271 118.603,59.271 130.165,70.834 v1(130.165,72.449)
RS485_MCU_0_RX: IC10.121 IC1303.3 LSP1303.1 | length 52.2
  Top Signal w0.152: IC10.121@98.573,44.334 98.582,44.343 98.582,53.182 v1(99.717,54.316) ; IC1303.3@128.801,75.833 128.801,72.379 LSP1303.1@129.132,72.049 129.101,72.019 v1(129.101,70.967)
  Bottom Signal w0.152: v1(99.717,54.316) 111.204,54.316 116.418,59.531 118.495,59.531 129.101,70.137 v1(129.101,70.967)